# KiCad board Rogelio Pineda 2;12 AM-AMLDC-2044B.kicad_pcb (continued)
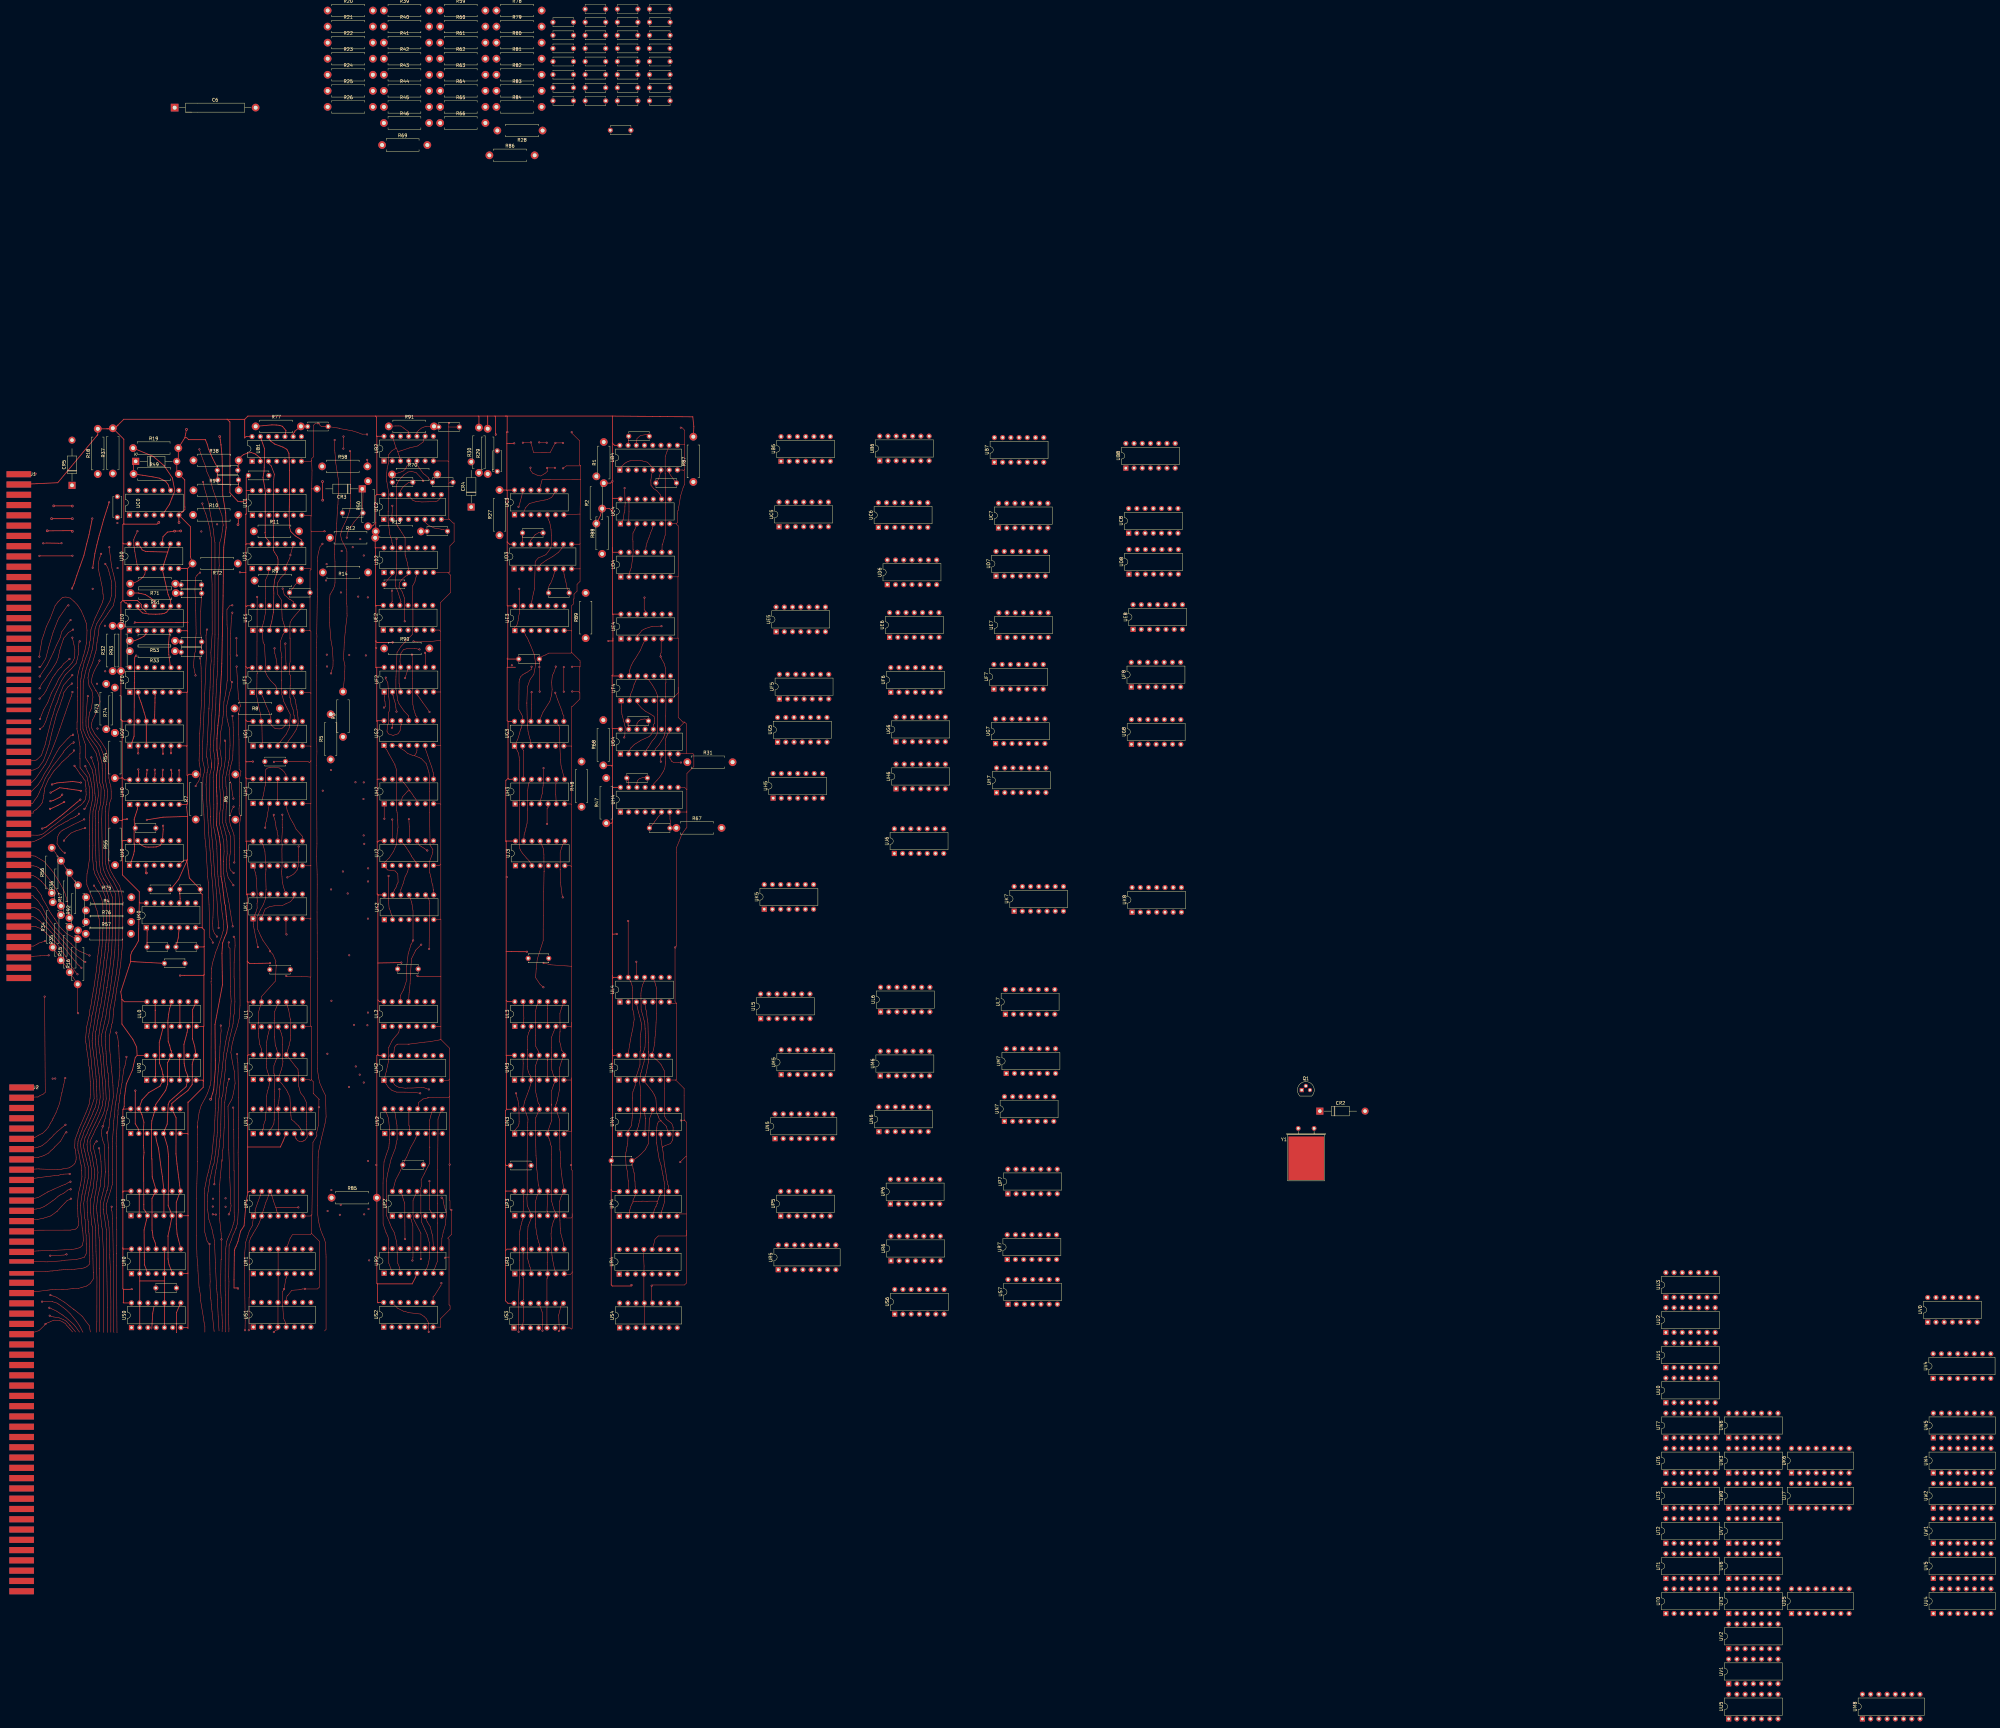
[diagram p0: board, top side]
## Routing (per net, layer and track width the routed paths; a pad name or vN(x,y) marks a point on that pad's centre or on a via; arc(x,y) is an arc through that point) (continued)
~{INTP OUT}: length 9.5
  Top w0.15: J1.95 79.98,235.46 80.42,235.53 82.39,235.65 ; 85.07,235.72 v1(84.97,235.82) 84.27,235.78 83.71,235.71 82.3,235.64
~{INTR}: length 125.9
  Top w0.15: v1(98.99,257.33) 99.74,256.17 100.7,254.84 101.43,252.92 101.72,251 101.74,248.51 101.88,246.61 101.74,244.08 101.65,242.52 101.45,238.45 101.35,237.26 101.23,235.81 100.9,233.44 100.5,229.87 100.29,228.99 100.17,227.79 99.64,224.14 99.15,221.11 98.92,219.95 98.58,218.01 98.29,217.17 98.07,215.21 97.88,214.23 97.43,211.62 97.34,210.65 97.64,207.84 98,204.68 98.31,200.88 98.84,196.23 99.02,191.5 97.9,188.2 97.39,186.8 96.76,185.35 96.21,184.08 95.64,182.94 95.21,181.65 94.64,180.34 94.04,178.36 93.99,177.59 93.98,177.14 94.02,175.59 94.31,174.67 94.79,171.84 95,171.01 95.12,169.3 ; J2.29 76.97,150.91 91.67,150.94 93.32,151.27 93.83,151.73 94.09,152.26 94.24,153.62 94.01,155.09 93.95,157.58 93.81,158.45 94.15,162.2 94.79,164.91 ; 94.74,164.77 95.25,167.4 95.11,169.5
~{RQENB}: length 208
  Top w0.15: 101.35,277.85 101.48,281.21 102.01,282.93 102.13,285.11 102.14,286.68 101.89,288.29 101.58,289.23 101.56,292.75 101.49,293.47 101.48,295.03 100.33,299.12 99.77,300.19 97.57,303.19 96.93,304.78 96.57,306.06 96.5,306.69 96.48,308.12 96.52,309.29 96.94,315.15 v1(97.08,315.84) ; 101.36,277.95 101.56,264.5 101.58,264.29 101.84,262.4 102.61,260.5 104.55,257 105.67,254.66 105.56,240.99 105.55,240.92 105.43,237.59 105.37,236.81 105.11,234.11 104.98,233.09 104.48,229.14 104.14,226.41 103.84,224.43 103.62,223.25 102.94,219.21 102.64,217.04 101.75,212.95 101.36,211.44 101.35,210.63 101.39,207.96 101.71,205.94 101.76,205.38 101.82,204.55 102.25,198.64 102.48,196.92 102.74,191.45 102.54,190.06 102.21,187.95 101.71,186.55 100.57,184.21 99.94,182.9 99.35,181.87 98.81,180.56 98.17,179.37 97.74,178.22 97.89,175.55 98.29,174.49 98.87,170.79 99.17,169.66 99.15,168.15 98.89,165.38 98.72,163.92 98.12,161.08 97.78,160.09 97.97,156.28 98.27,152.69 98.43,151.96 98.64,143 98.64,142.25 98.74,137.8 98.76,137.85 98.77,135.9 97.78,134.44 96.7,133.67 94.12,132.94 92.49,132.9 90.77,132.7 89.5,132.68 89.12,132.62 86.04,132.59 80.75,131.91 77.49,132.38 J2.41
unconnected-(J2-Pin_49-Pad49): length 18.5
  Top w0.15: 92.27,119.5 92.27,119.58 90.56,121.52 90.12,122.1 89.41,122.54 88.29,123.09 86.58,123.14 85.61,122.74 85.02,122.45 84.2,122.17 84.2,122.06 84.07,121.93 v1(83.96,121.93) 83.96,121.83 81.97,119.91 80.74,119.5 J2.49
unconnected-(R3-Pad2): length 75.7
  Top w0.15: 176.97,354.4 176.96,354.39 ; 176.97,354.4 177.03,354.46 ; 176.97,354.4 177.03,354.46 ; 178.15,376.05 178.15,384.73 178.13,384.75 178.13,391.37 v1(178.02,391.48) ; 177.03,354.46 177.03,357.45 177.06,357.49 177.06,360.45 176.79,361.41 176.44,362.17 175.99,362.99 175.39,364.2 175.07,365.78 175.29,366.48 175.58,367.48 176.32,369.06 177.23,371 177.94,373.15 178.23,374.95 178.15,376.14 ; 177.03,354.46 176.85,348.72 176.9,347.32 177.02,344.35 177.08,343.49 177.08,341.38 177.12,340.65 176.73,337.47 176.53,335.5 176.24,332.43 176.17,330.18 175.99,327.52 176.46,325.25 176.4,323.3 176.3,321.4 R3.2
unconnected-(R58-Pad2): length 2
  Top w0.15: v1(183.32,388.81) 183.38,388.75 R58.2
unconnected-(US2-CK-Pad8): length 6.9
  Top w0.15: US2.8 203.67,130.35 204.18,130.86 205.75,133.35 206.09,133.84 v1(206.23,134.57) 206.09,134.62
unconnected-(US2-Qh-Pad13): length 16.7
  Top w0.15: 202.33,119.29 v1(202.33,119.54) 202.33,122.19 201.62,123.54 200.95,124.23 199.8,125.02 195.98,125.48 195.17,125.8 194.57,125.88 192.67,126.86 US2.13

## Text on the board
User.Comments: B C D E | F G H J  K | P R S | L M N | F G H J K | L  M N | 0   1   2   3   4   5   6   7   8
